# Altium PCB CSI2-ZCU106-EVK_Rev01.PcbDoc (part 2 of 4)
Units mm, origin at the board's own origin, x right, y up, seen from the top; angles counter-clockwise.
Board outline 75 x 69 mm, 4 copper layers (Layer1 Top, Layer2, Layer3, Layer4 Bottom), stack 1.59 mm thick; 252 components, 339 nets, 1136 pads, 406 vias.
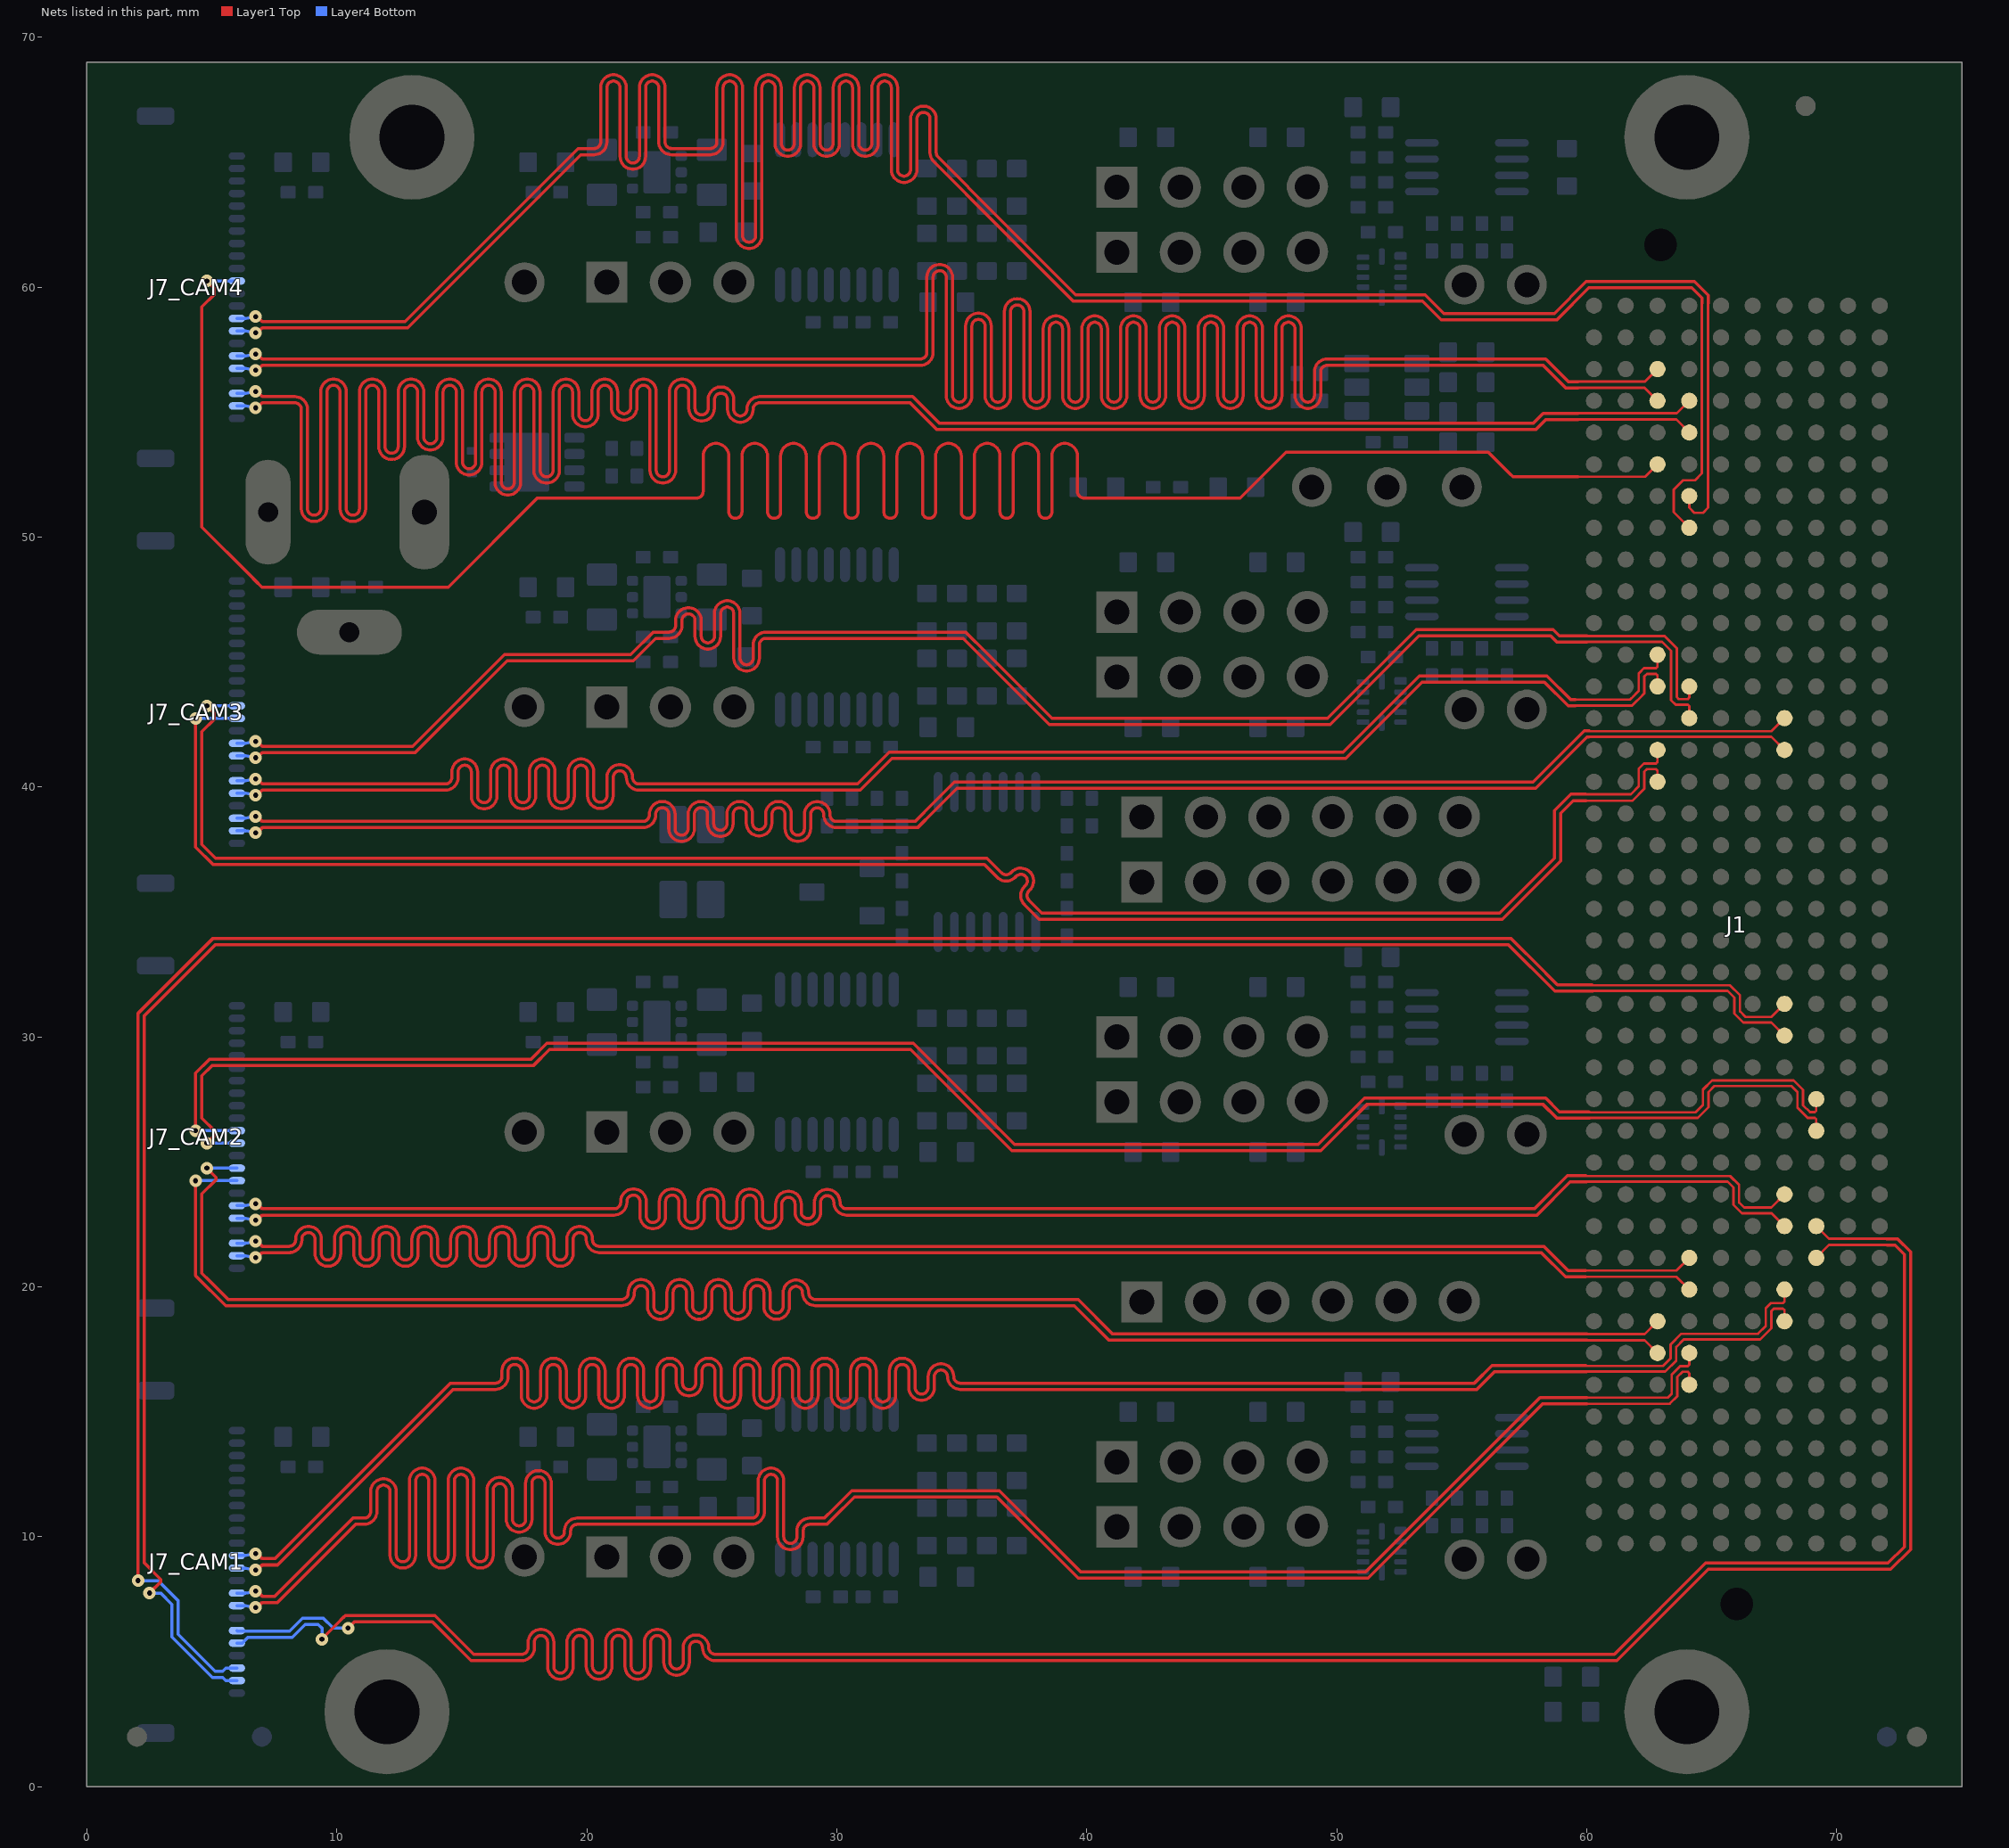
[diagram p4: the nets of this part, all layers, seen from the top]

## Part data
C1_CAM1 C1_CAM2 C1_CAM3 C1_CAM4 C2 C13_CAM1 C13_CAM2 C13_CAM3 C13_CAM4 C16_CAM1 C16_CAM2 C16_CAM3 C16_CAM4 C17_CAM1 C17_CAM2 C17_CAM3 C17_CAM4 C19_CAM1 C19_CAM2 C19_CAM3 C19_CAM4 C20_CAM1 C20_CAM2 C20_CAM3 C20_CAM4: library part "C 100N 10% 16V X7R 402", "Capacitor Ceramic SMD/0402/16V/X7R/10%", Dielectric=X7R, KHK Part Number=K8340114, Manufacturer=several, Supplier Part Number 1=1276-1508-1-ND, Tolerance=10%, Voltage=16V, Manufacturer Part Number=several, Supplier 1=Digi-Key, Supplier 2=Digi-Key, Supplier Part Number 2=311-1338-1-ND
C3: library part "C X 0603", "Capacitor Ceramic SMD/0603/50V/X7R/10%", Dielectric=X7R, Manufacturer=several, Tolerance=10%, Voltage=50V, Manufacturer Part Number=several
C14_CAM1 C14_CAM2 C14_CAM3 C14_CAM4 C15_CAM1 C15_CAM2 C15_CAM3 C15_CAM4: library part "C 10U 16V X5R 0805", "Capacitor Ceramic SMD/0805/16V/X5R/10%", Dielectric=X5R, KHK Part Number=K8340151, Manufacturer=several, Supplier Part Number 1=478-5165-1-ND, Tolerance=10%, Voltage=16V, Manufacturer Part Number=several, Supplier 1=Digi-Key
C18_CAM1 C18_CAM2 C18_CAM3 C18_CAM4: library part "C 100P 50V X7R 0402", "Capacitor Ceramic SMD/0402/50V/X7R/10%", Dielectric=X7R, KHK Part Number=K8340145, Manufacturer=several, Supplier Part Number 1=478-1089-1-ND, Tolerance=10%, Voltage=50V, Manufacturer Part Number=several, Supplier 1=Digi-Key
D1 D6_CAM1 D6_CAM2 D6_CAM3 D6_CAM4: library part "D LED 0603 green", "Chip LED green 430mcd", Color=green, Current=20mA, KHK Part Number=8172, Manufacturer=Würth, Manufacturer Part Number=150060GS75000, Supplier Part Number 1=732-4971-1-ND, Supplier 1=Digi-Key
D2: library part "D ESD9B5.0ST5G", "DIODE TVS; 400W; 5.8-7.8V; BIDIRECT", KHK Part Number=7250, Manufacturer="ON Semiconductor", Supplier Part Number 1=ESD9B5.0ST5GOSCT-ND, Manufacturer Part Number=ESD9B5.0ST5G, Supplier 1=Digi-Key
D3: library part "D LSG T67K-JL-1+HK-1", "LED red/green", KHK Part Number=11105, Manufacturer=OSRAM, Manufacturer Part Number="LSG T67K-JL-1+HK-1", Supplier Part Number 1=475-3435-1-ND, Supplier 1=Digi-Key
D5_CAM1 D5_CAM2 D5_CAM3 D5_CAM4: library part "D LED 0603 red", "Chip LED red 250mcd", Color=red, Current=20mA, KHK Part Number=8145, Manufacturer=Würth, Manufacturer Part Number=150060RS75000, Supplier Part Number 1=732-4978-1-ND, Supplier 1=Digi-Key
J1: library part "CON FMC HPC Male", "CON FMC HPC MALE 10MM", KHK Part Number=9159, Manufacturer=Samtec, Manufacturer Part Number=ASP-134488-01, Supplier Part Number 1=SAM8730-ND, Supplier 1=Digi-Key
J2: library part "CON RAPC722", "Switchcraft PowerJack RAPC722 / 2.1mm (Inner) / 6mm (Outer)", KHK Part Number=K7600556, Manufacturer=Switchcraft, Manufacturer Part Number=RAPC722X, Supplier Part Number 1=SC1313-ND, Supplier 1=Digi-Key
J3_CAM1 J3_CAM2 J3_CAM3 J3_CAM4 J12_CAM1 J12_CAM2 J12_CAM3 J12_CAM4 J13_CAM1 J13_CAM2 J13_CAM3 J13_CAM4: library part "CON Jumper 2.54mm", "CON/JUMPER/STC02SYAN; 2-pin; 2.54mm; 3A; FEMALE; VERTICAL; BLACK", KHK Part Number=13444, Manufacturer=several, Supplier Part Number 1=S9000-ND, Manufacturer Part Number=several, Supplier 1=Digi-Key
J4_CAM1 J4_CAM2 J4_CAM3 J4_CAM4: library part "CON 1x3 2.54 several", "Header Vertical, 1x3 Pos, Pitch 2.54mm, Contact Length Mating 6.00mm, Contact Length Post 3.00mm, Insulation Height 2.54mm, Gold Plating", KHK Part Number=15338, Manufacturer=several, Supplier Part Number 1=732-5316-ND, Manufacturer Part Number=several, Supplier 1=Digi-Key
J5 J6 J8: library part "CON 1x6 2.54 several", "Header Vertical, 1x6 Pos, Pitch 2.54mm, Contact Length Mating 6.00mm, Contact Length Post 3.00mm, Insulation Height 2.54mm, Gold Plating", KHK Part Number=15686, Manufacturer=several, Supplier Part Number 1=732-5319-ND, Manufacturer Part Number=several, Supplier 1=Digi-Key
J7_CAM1 J7_CAM2 J7_CAM3 J7_CAM4: library part "CON FFC22_FH55-22S-0.5SH_Inverted", "FFC Connector 0.5mm shielded", KHK Part Number=10357, Manufacturer=Hirose, Manufacturer Part Number=FH55-22S-0.5SH, Supplier Part Number 1=798-FH55-22S-0.5SH, Supplier 1=Mouser
J10_CAM1 J10_CAM2 J10_CAM3 J10_CAM4 J11_CAM1 J11_CAM2 J11_CAM3 J11_CAM4: library part "CON 1x4 2.54 several", "Header Vertical, 1x4 Pos, Pitch 2.54mm, Contact Length Mating 6.00mm, Contact Length Post 3.00mm, Insulation Height 2.54mm, Gold Plating", KHK Part Number=15343, Manufacturer=several, Supplier Part Number 1=732-5317-ND, Manufacturer Part Number=several, Supplier 1=Digi-Key
LA1: library part "PCB LABEL 7x7", Manufacturer=several, Manufacturer Part Number=several
MRK1 MRK2 MRK3 MRK4 MRK5 MRK6: library part "PCB Marker Pad Single Layer", "Position Marker for PCBs"
Q1: library part "Q BC847C SOT23", "TRANSISTOR NPN 100mA 45V", KHK Part Number=16587, Manufacturer=several, Supplier Part Number 1=BC847CE6327HTSA1CT-ND, Manufacturer Part Number=BC847C, Supplier 1=Digi-Key
Q2: library part "Q Si7629DN", "P-Channel MOSFET 20V", KHK Part Number=3619, Manufacturer=Vishay, Supplier Part Number 1=SI7629DN-T1-GE3CT-ND, Manufacturer Part Number=Si7629DN, Supplier 1=Digi-Key
R1 R12 R13 R14: library part "R 3k3 1% 0402", "Standard Resistor SMD/0402/1%/63mW/TK100", KHK Part Number=K8250347, Manufacturer=several, Supplier Part Number 1=311-3.30KLRCT-ND, Temperature Coefficient=TK100, Tolerance=1%, Manufacturer Part Number=several, Supplier 1=Digi-Key
R2 R11: library part "R 1K5 1% 0402", "Standard Resistor SMD/0402/1%/63mW/TK100", KHK Part Number=K8250358, Manufacturer=several, Supplier Part Number 1=311-1.50KLRCT-ND, Tolerance=1%, Manufacturer Part Number=several, Supplier 1=Digi-Key
R3 R4 R5 R9 R31 R32: library part "R 10K 1% 0402", "Standard Resistor SMD/0402/1%/63mW/TK100", KHK Part Number=K8250264, Manufacturer=several, Supplier Part Number 1=CR0402-FX-1002GLFCT-ND, Temperature Coefficient=TK100, Tolerance=1%, Manufacturer Part Number=several, Supplier 1=Digi-Key, Supplier 2=Farnell, Supplier 3=RSComponents, Supplier 4=Digi-Key, Supplier Part Number 2=2421890, Supplier Part Number 3=6678848P, Supplier Part Number 4=541-10.0KLCT-ND
R6 R17 R21_CAM1 R21_CAM2 R21_CAM3 R21_CAM4 R30 R35_CAM1 R35_CAM2 R35_CAM3 R35_CAM4 R38_CAM1 R38_CAM2 R38_CAM3 R38_CAM4 R41_CAM1 R41_CAM2 R41_CAM3 R41_CAM4 R47_CAM1 R47_CAM2 R47_CAM3 R47_CAM4 R48_CAM1 R48_CAM2 R48_CAM3 R48_CAM4: library part "R 0R0 1% 0603", "Standard Resistor SMD/0603/1%/100mW/TK200", KHK Part Number=K8250041, Manufacturer=several, Supplier Part Number 1=311-0.0HRCT-ND, Tolerance=1%, Manufacturer Part Number=several, Supplier 1=Digi-Key
R7 R52_CAM1 R52_CAM2 R52_CAM3 R52_CAM4 R53_CAM1 R53_CAM2 R53_CAM3 R53_CAM4 R54_CAM1 R54_CAM2 R54_CAM3 R54_CAM4 R55_CAM1 R55_CAM2 R55_CAM3 R55_CAM4: library part "R 2k0 1% 0402", "Standard Resistor SMD/0402/1%/63mW/TK100", KHK Part Number=K8250311, Manufacturer=several, Supplier Part Number 1=311-2KLRCT-ND, Temperature Coefficient=TK100, Tolerance=1%, Manufacturer Part Number=several, Supplier 1=Digi-Key
R8 R10: library part "R 240R 1% 0402", "Standard Resistor SMD/0402/1%/63mW/TK100", KHK Part Number=7256, Manufacturer=several, Supplier Part Number 1=YAG3461CT-ND, Temperature Coefficient=TK100, Tolerance=1%, Manufacturer Part Number=several, Supplier 1=Digi-Key
R15 R16 R18_CAM1 R18_CAM2 R18_CAM3 R18_CAM4 R19 R20 R33_CAM1 R33_CAM2 R33_CAM3 R33_CAM4 R34_CAM1 R34_CAM2 R34_CAM3 R34_CAM4 R36_CAM1 R36_CAM2 R36_CAM3 R36_CAM4 R37_CAM1 R37_CAM2 R37_CAM3 R37_CAM4 R39_CAM1 R39_CAM2 R39_CAM3 R39_CAM4 R40_CAM1 R40_CAM2 R40_CAM3 R40_CAM4 R42_CAM1 R42_CAM2 R42_CAM3 R42_CAM4 R49_CAM1 R49_CAM2 R49_CAM3 R49_CAM4 R50_CAM1 R50_CAM2 R50_CAM3 R50_CAM4: library part "R X 0603", "Standard Resistor SMD/0603/1%/100mW/TK200", Temperature Coefficient=TK100, Tolerance=1%
R43_CAM1 R43_CAM2 R43_CAM3 R43_CAM4: library part "R 1k5 1% 0402", "Standard Resistor SMD/0402/1%/63mW/TK100", KHK Part Number=K8250358, Manufacturer=several, Supplier Part Number 1=311-1.50KLRCT-ND, Tolerance=1%, Manufacturer Part Number=several, Supplier 1=Digi-Key
R44_CAM1 R44_CAM2 R44_CAM3 R44_CAM4: library part "R 270K 1% 0402", "Standard Resistor SMD/0402/1%/63mW/TK100", KHK Part Number=3875, Manufacturer=several, Supplier Part Number 1=CR0402-FX-2703GLFCT-ND, Temperature Coefficient=TK100, Tolerance=1%, Manufacturer Part Number=several, Supplier 1=Digi-Key
R45_CAM1 R45_CAM2 R45_CAM3 R45_CAM4: library part "R 3K3 1% 0402", "Standard Resistor SMD/0402/1%/63mW/TK100", KHK Part Number=K8250347, Manufacturer=several, Supplier Part Number 1=311-3.30KLRCT-ND, Temperature Coefficient=TK100, Tolerance=1%, Manufacturer Part Number=several, Supplier 1=Digi-Key
R46_CAM1 R46_CAM2 R46_CAM3 R46_CAM4: library part "R 51K 1% 0402", "Standard Resistor SMD/0402/1%/63mW/TK100", KHK Part Number=K8250273, Manufacturer=several, Supplier Part Number 1=311-51.0KLRCT-ND, Temperature Coefficient=TK100, Tolerance=1%, Manufacturer Part Number=several, Supplier 1=Digi-Key
R51_CAM1 R51_CAM2 R51_CAM3 R51_CAM4: library part "R 200K 1% 0402", "Standard Resistor SMD/0402/1%/63mW/TK100", KHK Part Number=K8250280, Manufacturer=several, Supplier Part Number 1=311-200KLRCT-ND, Temperature Coefficient=TK100, Tolerance=1%, Manufacturer Part Number=several, Supplier 1=Digi-Key, Supplier 2=Arrow, Supplier 3=Arrow, Supplier Part Number 2=CRCW0402200KFKED, Supplier Part Number 3=NRC04F2003TRF
T1: library part "PCB TEXT FIELD TOP", "PCB Textfield TOP"
T2: library part "PCB TEXT FIELD BOT", "PCB Textfield BOT"
TP1 TP2 TP3 TP4_CAM1 TP4_CAM2 TP4_CAM3 TP4_CAM4 TP5_CAM1 TP5_CAM2 TP5_CAM3 TP5_CAM4 TP6_CAM1 TP6_CAM2 TP6_CAM3 TP6_CAM4: library part TP_16_10, "Testpoint: Pad=1,6mm; Hole=1,0mm"
U1: library part "IC LM2901DTBR2G", "QUAD COMPERATOR", Manufacturer="ON Semi", Supplier Part Number 1=LM2901DTBR2GOSCT-ND, Manufacturer Part Number=LM2901DTBR2G, Supplier 1=Digi-Key
U2: library part "IC 24LC025T-I/OT", "2K I2C Serial EEPROM 2V5-5V5", KHK Part Number=9217, Manufacturer=Microchip, Supplier Part Number 1=24LC025T-I/OTCT-ND, Manufacturer Part Number=24LC025T-I/OT, Supplier 1=Digi-Key
U6_CAM1 U6_CAM2 U6_CAM3 U6_CAM4: library part "IC INA260", "IC/PWR/CURR SHUNT MONITOR/2.7-5.5V;4.5mR/TSSOP16/5.0x4.4x1.2mm", Manufacturer=TI, Supplier Part Number 1=296-47777-1-ND, Manufacturer Part Number=INA260AIPWR, Supplier 1=Digi-Key
U7_CAM1 U7_CAM2 U7_CAM3 U7_CAM4: library part "IC  TPS25200DRVT", "IC/PWR/LOADSW;2V5-6V5;2A5;0R099/6-WDFN/2x2x0.8mm", KHK Part Number=14277, Manufacturer="Texas Instruments", Supplier Part Number 1=296-37760-1-ND, I max=2.5A, Manufacturer Part Number=TPS25200DRVT, Supplier 1=Digi-Key, Vin=2.5V-6.5V
U8_CAM1 U8_CAM2 U8_CAM3 U8_CAM4: library part "IC PCA9306DCTR", "IC/LOGIC/LEVELSHIFTER;I2C;AUTO-DIR;1V2-5V/SSOP-8/4.25x3.15x1.3mm", KHK Part Number=9555, Manufacturer=TI, Supplier Part Number 1=296-18509-1-ND, Manufacturer Part Number=PCA9306DCTR, Supplier 1=Digi-Key
U9_CAM1 U9_CAM2 U9_CAM3 U9_CAM4: library part "IC NTB0104GU12,115", "IC/LOGIC/Levelshifter;Auto-Dir;Bidirectional;Push-Pull;-40-+125°C/", KHK Part Number=14383, Manufacturer=NXP, Supplier Part Number 1=568-5204-1-ND, Manufacturer Part Number=NTB0104GU12,115, Supplier 1=Digi-Key
X1 X2 X3 X4: library part "PCB HOLE M2.5-5-DK", "HOLE M2.5"

## Via types
v1: diameter 0.5, hole 0.2, Layer1 Top to Layer4 Bottom, 406 vias

## Nets (pads, with @x,y where several pads share a name; then routed paths per layer and width w, separated by ;. In a path a pad name is that pad's centre, name@x,y a point inside that pad or via, vN(x,y) a via of type N, cw(c..) or ccw(c..) an arc to the next point about the centre after c; other vN are vias at no path point)
B7-CSI2-TXC_CAM1_N: J1.G7 J7_CAM1.14 | length 97.9
  Layer1 Top w0.1: 60,15.575 63.25,15.575 63.395,15.72 63.395,16.495 63.732,16.832 64.036,16.832 64.095,16.891 J1.G7@64.095,17.355
  Layer1 Top w0.125: v1(6.75,7.825) 6.811,7.825 7.011,7.625 7.521,7.625 10.646,10.75 10.9,10.75 11.088,10.75 ccw(c11.088,11.012) 11.35,11.012 11.35,11.807 cw(c11.863,11.807) 12.375,11.807 12.375,9.262 ccw(c12.638,9.262) 12.9,9.262 12.9,12.238 cw(c13.413,12.238) 13.925,12.238 13.925,9.262 ccw(c14.188,9.262) 14.45,9.262 14.45,12.238 cw(c14.963,12.238) 15.475,12.238 15.475,9.262 ccw(c15.738,9.262) 16,9.262 16,11.867 cw(c16.513,11.867) 17.025,11.867 17.025,10.7 ccw(c17.288,10.7) 17.55,10.7 17.55,12.142 cw(c18.063,12.142) 18.575,12.142 18.575,10.211 ccw(c18.838,10.211) 19.1,10.211 19.1,10.237 cw(c19.613,10.237) 19.613,10.75 26.588,10.75 ccw(c26.588,11.012) 26.85,11.012 26.85,12.238 cw(c27.363,12.238) 27.875,12.238 27.875,9.999 ccw(c28.138,9.999) 28.4,9.999 28.4,10.237 cw(c28.913,10.237) 28.913,10.75 29.5,10.75 29.85,11.1 30.6,11.85 36.504,11.85 39.754,8.6 51.15,8.6 58.125,15.575 60,15.575
  Layer4 Bottom w0.125: J7_CAM1.14@6,7.75 6.338,7.75 ccw(c6.338,7.875) 6.361,7.752 6.445,7.768 v1(6.75,7.825)
B7-CSI2-TXC_CAM1_P: J1.G6 J7_CAM1.15 | length 97.9
  Layer1 Top w0.1: 59.998,15.325 63.318,15.325 63.62,15.627 63.62,16.395 63.832,16.607 64.036,16.607 64.095,16.549 J1.G6@64.095,16.085
  Layer1 Top w0.125: v1(6.75,7.175) 6.811,7.175 7.011,7.375 7.625,7.375 10.75,10.5 10.9,10.5 11.088,10.5 ccw(c11.088,11.012) 11.6,11.012 11.6,11.807 cw(c11.863,11.807) 12.125,11.807 12.125,9.262 ccw(c12.638,9.262) 13.15,9.262 13.15,12.238 cw(c13.413,12.238) 13.675,12.238 13.675,9.262 ccw(c14.188,9.262) 14.7,9.262 14.7,12.238 cw(c14.963,12.238) 15.225,12.238 15.225,9.262 ccw(c15.738,9.262) 16.25,9.262 16.25,11.867 cw(c16.513,11.867) 16.775,11.867 16.775,10.7 ccw(c17.288,10.7) 17.8,10.7 17.8,12.142 cw(c18.063,12.142) 18.325,12.142 18.325,10.211 ccw(c18.838,10.211) 19.35,10.211 19.35,10.237 cw(c19.613,10.237) 19.613,10.5 26.588,10.5 ccw(c26.588,11.012) 27.1,11.012 27.1,12.238 cw(c27.363,12.238) 27.625,12.238 27.625,9.999 ccw(c28.138,9.999) 28.65,9.999 28.65,10.237 cw(c28.913,10.237) 28.913,10.5 29.604,10.5 29.85,10.746 30.704,11.6 36.4,11.6 39.65,8.35 51.254,8.35 58.229,15.325 59.998,15.325
  Layer4 Bottom w0.125: J7_CAM1.15@6,7.25 6.338,7.25 cw(c6.338,7.125) 6.361,7.248 6.445,7.232 v1(6.75,7.175)
B7-CSI2-TXC_CAM2_N: J1.H8 J7_CAM2.14 | length 74.2
  Layer1 Top w0.1: 60,18.115 62.315,18.115 J1.H8@62.825,18.625
  Layer1 Top w0.125: v1(4.8,24.75) 5.164,24.386 5.164,24.283 4.6,23.719 4.6,20.554 4.904,20.25 5.654,19.5 21.2,19.5 21.388,19.5 ccw(c21.388,19.762) 21.65,19.762 21.65,19.788 cw(c22.163,19.788) 22.675,19.788 22.675,19.212 ccw(c22.938,19.212) 23.2,19.212 23.2,19.788 cw(c23.713,19.788) 24.225,19.788 24.225,19.212 ccw(c24.488,19.212) 24.75,19.212 24.75,19.788 cw(c25.263,19.788) 25.775,19.788 25.775,19.212 ccw(c26.038,19.212) 26.3,19.212 26.3,19.788 cw(c26.813,19.788) 27.325,19.788 27.325,19.215 ccw(c27.588,19.215) 27.85,19.215 27.85,19.763 cw(c28.363,19.763) 28.875,19.763 ccw(c29.138,19.762) 29.138,19.5 39.5,19.5 39.65,19.5 41.035,18.115 60,18.115
  Layer4 Bottom w0.125: v1(4.8,24.75) J7_CAM2.14@6,24.75
B7-CSI2-TXC_CAM2_P: J1.H7 J7_CAM2.15 | length 74.2
  Layer1 Top w0.1: 60.007,17.865 62.315,17.865 J1.H7@62.825,17.355
  Layer1 Top w0.125: v1(4.35,24.25) 4.35,20.45 5.55,19.25 21.2,19.25 21.388,19.25 ccw(c21.388,19.762) 21.9,19.762 21.9,19.788 cw(c22.163,19.788) 22.425,19.788 22.425,19.212 ccw(c22.938,19.212) 23.45,19.212 23.45,19.788 cw(c23.713,19.788) 23.975,19.788 23.975,19.212 ccw(c24.488,19.212) 25,19.212 25,19.788 cw(c25.263,19.788) 25.525,19.788 25.525,19.212 ccw(c26.038,19.212) 26.55,19.212 26.55,19.788 cw(c26.813,19.788) 27.075,19.788 27.075,19.215 ccw(c27.588,19.215) 28.1,19.215 28.1,19.763 cw(c28.363,19.763) 28.625,19.763 ccw(c29.138,19.762) 29.138,19.25 39.5,19.25 40.885,17.865 60.007,17.865
  Layer4 Bottom w0.125: v1(4.35,24.25) J7_CAM2.15@6,24.25
B7-CSI2-TXC_CAM3_N: J1.G28 J7_CAM3.14 | length 72
  Layer1 Top w0.1: 60,46.05 60.035,46.05 60.048,46.037 63.109,46.037 63.595,45.551 63.595,43.595 63.67,43.52 64.036,43.52 64.095,43.579 J1.G28@64.095,44.025
  Layer1 Top w0.125: v1(6.75,41.825) 6.811,41.825 7.011,41.625 7.995,41.625 13.025,41.625 16.7,45.3 21.75,45.3 22.65,46.2 23.1,46.2 23.288,46.2 ccw(c23.288,46.463) 23.55,46.463 23.55,46.667 cw(c24.063,46.667) 24.575,46.667 24.575,46.033 ccw(c24.838,46.033) 25.1,46.033 25.1,46.942 cw(c25.613,46.942) 26.125,46.942 26.125,45.157 ccw(c26.388,45.157) 26.65,45.157 26.65,45.688 cw(c27.163,45.688) 27.163,46.2 35.154,46.2 36,45.354 38.177,43.177 38.354,43 38.604,42.75 49.628,42.75 53.178,46.3 58.654,46.3 58.904,46.05 60,46.05
  Layer4 Bottom w0.125: J7_CAM3.14@6,41.75 6.338,41.75 ccw(c6.338,41.875) 6.361,41.752 6.445,41.768 v1(6.75,41.825)
B7-CSI2-TXC_CAM3_P: J1.G27 J7_CAM3.15 | length 72.1
  Layer1 Top w0.1: 60,45.8 60.035,45.8 60.048,45.812 63.016,45.812 63.37,45.458 63.37,43.48 63.555,43.295 64.036,43.295 64.095,43.236 J1.G27@64.095,42.755
  Layer1 Top w0.125: v1(6.75,41.175) 6.811,41.175 7.011,41.375 8.099,41.375 13.129,41.375 16.804,45.05 21.854,45.05 22.754,45.95 23.1,45.95 23.288,45.95 ccw(c23.288,46.463) 23.8,46.463 23.8,46.667 cw(c24.063,46.667) 24.325,46.667 24.325,46.033 ccw(c24.838,46.033) 25.35,46.033 25.35,46.942 cw(c25.613,46.942) 25.875,46.942 25.875,45.157 ccw(c26.388,45.157) 26.9,45.157 26.9,45.688 cw(c27.163,45.688) 27.163,45.95 35.05,45.95 36,45 38.5,42.5 49.731,42.5 53.281,46.05 58.55,46.05 58.8,45.8 60,45.8
  Layer4 Bottom w0.125: J7_CAM3.15@6,41.25 6.338,41.25 cw(c6.338,41.125) 6.361,41.248 6.445,41.232 v1(6.75,41.175)
B7-CSI2-TXC_CAM4_N: J1.G34 J7_CAM4.14 | length 126.1
  Layer1 Top w0.1: J1.G34@64.095,51.645 64.095,51.18 64.3,50.975 64.65,50.975 64.85,51.175 64.85,59.352
  Layer1 Top w0.125: v1(6.75,58.825) 6.811,58.825 7.011,58.625 12.725,58.625 19.65,65.55 20.1,65.55 20.288,65.55 ccw(c20.288,65.812) 20.55,65.812 20.55,67.987 cw(c21.063,67.987) 21.575,67.987 21.575,65.233 ccw(c21.838,65.233) 22.1,65.233 22.1,67.987 cw(c22.613,67.987) 23.125,67.987 23.125,65.812 ccw(c23.388,65.812) 23.388,65.55 24.938,65.55 ccw(c24.938,65.812) 25.2,65.812 25.2,67.987 cw(c25.713,67.987) 26.225,67.987 26.225,62.062 ccw(c26.488,62.062) 26.75,62.062 26.75,67.987 cw(c27.263,67.987) 27.775,67.987 27.775,65.75 ccw(c28.038,65.75) 28.3,65.75 28.3,67.987 cw(c28.813,67.987) 29.325,67.987 29.325,65.75 ccw(c29.588,65.75) 29.85,65.75 29.85,67.987 cw(c30.363,67.987) 30.875,67.987 30.875,65.75 ccw(c31.138,65.75) 31.4,65.75 31.4,67.987 cw(c31.913,67.987) 32.425,67.987 32.425,64.708 ccw(c32.688,64.708) 32.95,64.708 32.95,66.735 cw(c33.463,66.735) 33.975,66.735 33.975,65.387 ccw(c34.238,65.387) 34.052,65.201 36.45,62.804 39.554,59.7 53.525,59.7 54,59.225 54.177,59.048 54.275,58.95 58.7,58.95 59.973,60.223 64.302,60.223 64.85,59.675 64.85,59.352
  Layer4 Bottom w0.125: J7_CAM4.14@6,58.75 6.338,58.75 ccw(c6.338,58.875) 6.361,58.752 6.445,58.768 v1(6.75,58.825)
B7-CSI2-TXC_CAM4_P: J1.G33 J7_CAM4.15 | length 126.1
  Layer1 Top w0.1: J1.G33@64.095,50.375 63.475,50.995 63.475,51.9 63.85,52.275 64.325,52.275 64.6,52.55 64.6,59.352
  Layer1 Top w0.125: v1(6.75,58.175) 6.811,58.175 7.011,58.375 12.829,58.375 19.754,65.3 20.1,65.3 20.288,65.3 ccw(c20.288,65.812) 20.8,65.812 20.8,67.987 cw(c21.063,67.987) 21.325,67.987 21.325,65.233 ccw(c21.838,65.233) 22.35,65.233 22.35,67.987 cw(c22.613,67.987) 22.875,67.987 22.875,65.812 ccw(c23.388,65.812) 23.388,65.3 24.938,65.3 ccw(c24.938,65.812) 25.45,65.812 25.45,67.987 cw(c25.713,67.987) 25.975,67.987 25.975,62.062 ccw(c26.488,62.062) 27,62.062 27,67.987 cw(c27.263,67.987) 27.525,67.987 27.525,65.75 ccw(c28.038,65.75) 28.55,65.75 28.55,67.987 cw(c28.813,67.987) 29.075,67.987 29.075,65.75 ccw(c29.588,65.75) 30.1,65.75 30.1,67.987 cw(c30.363,67.987) 30.625,67.987 30.625,65.75 ccw(c31.138,65.75) 31.65,65.75 31.65,67.987 cw(c31.913,67.987) 32.175,67.987 32.175,64.708 ccw(c32.688,64.708) 33.2,64.708 33.2,66.735 cw(c33.463,66.735) 33.725,66.735 33.725,65.387 ccw(c34.238,65.387) 33.876,65.024 36.45,62.45 39.45,59.45 53.421,59.45 54.171,58.7 58.804,58.7 60.077,59.973 64.198,59.973 64.6,59.571 64.6,59.352